# Altium PCB SI940D.PcbDoc (part 3 of 3)
Units mm, origin at the board's own origin, x right, y up, seen from the top; angles counter-clockwise.
Board outline 281.94 x 89 mm, 4 copper layers (Top, Mid-Layer1, Mid-Layer2, Bottom), stack 1.65 mm thick; 290 components, 161 nets, 820 pads, 571 vias.
Unrouted connection lines stored in the file: 3.
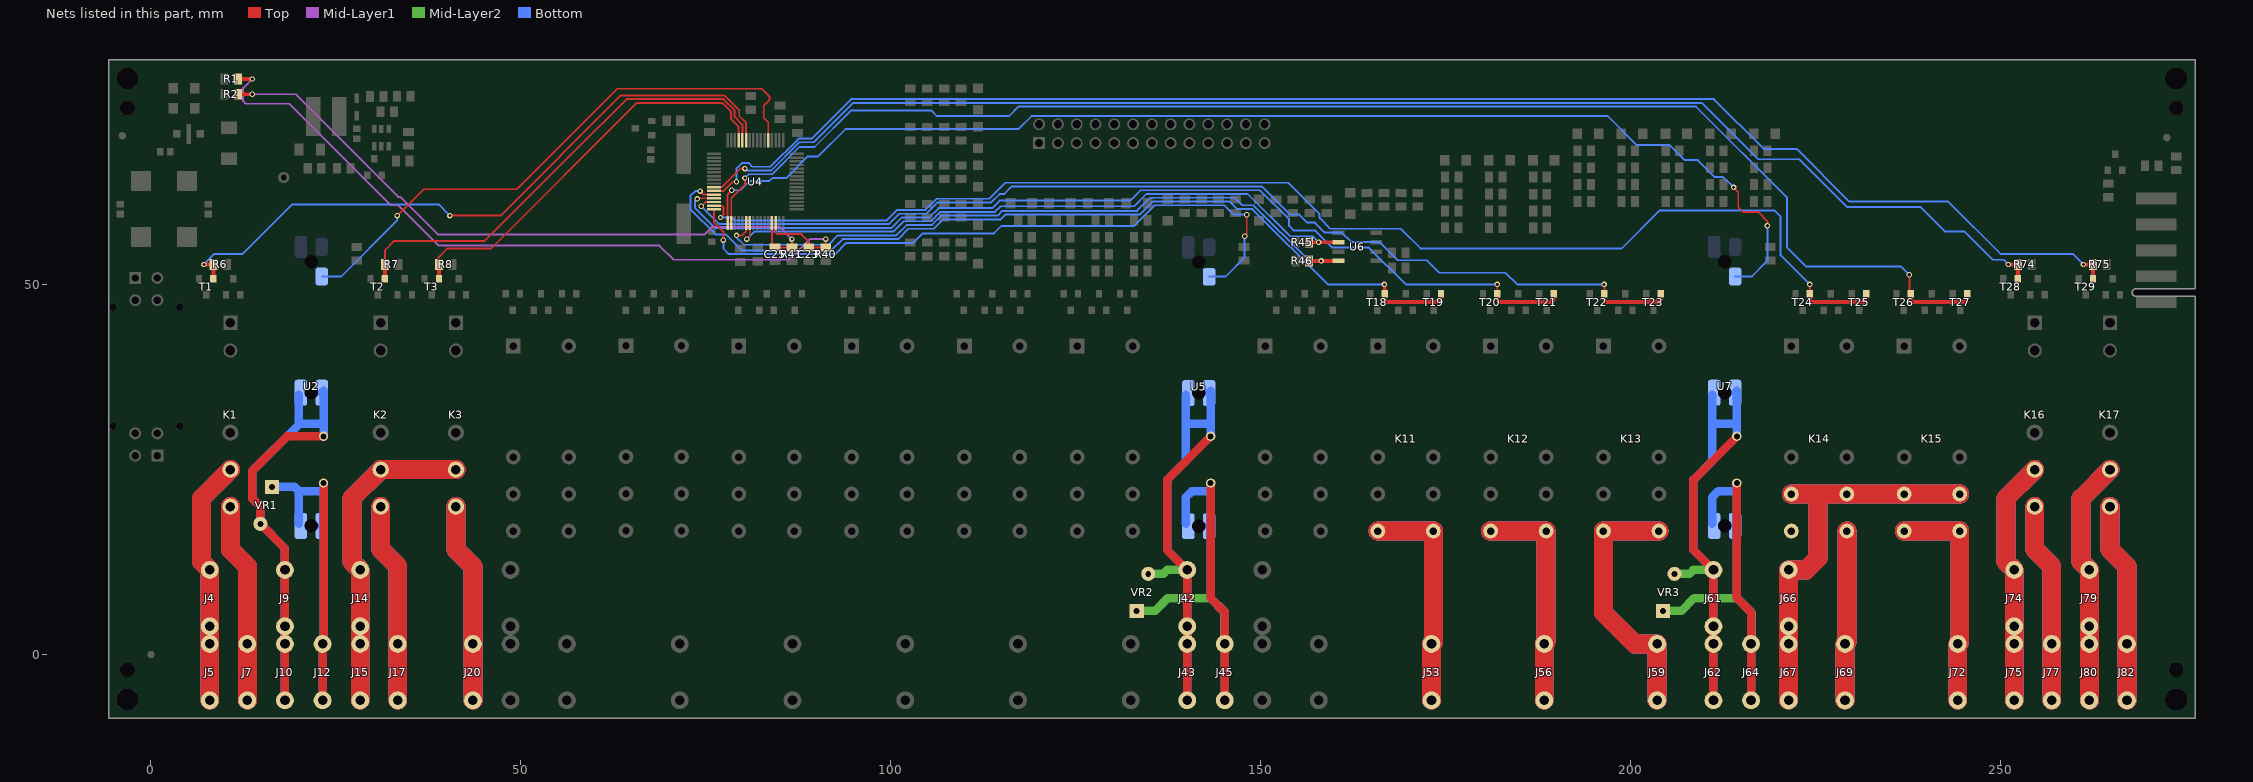
[diagram p5: the nets of this part, all layers, seen from the top]

## Via types
v1: diameter 0.737, hole 0.432, Top to Bottom, 561 vias
v2: diameter 1.27, hole 0.8, Top to Bottom, 6 vias
v3: diameter 1.524, hole 0.8, Top to Bottom, 4 vias

## Nets (pads, with @x,y where several pads share a name; then routed paths per layer and width w, separated by ;. In a path a pad name is that pad's centre, name@x,y a point inside that pad or via, vN(x,y) a via of type N, cw(c..) or ccw(c..) an arc to the next point about the centre after c; other vN are vias at no path point) (continued)
RB7_UC: T18.1 T19.1 U4.44 | length 119.7
  Top w0.254: v1(74.204,62.628) 74.684,62.148 U4.44@76.065,62.148
  Top w0.508: v1(166.687,50.006) 166.71,49.984 T18.1@166.71,48.725 166.71,47.92 167.005,47.625 174.035,47.625 174.33,47.92 T19.1@174.33,48.725
  Bottom w0.254: v1(74.204,62.628) 73.55,62.628 72.898,61.976 72.898,60.198 76.327,56.769 77.662,56.769 79.821,54.61 91.948,54.61 93.472,56.134 100.965,56.134 102.362,57.531 105.791,57.531 107.061,58.801 114.808,58.801 115.443,59.436 133.604,59.436 135.382,61.214 145.796,61.214 146.812,60.198 148.844,60.198 159.036,50.006 v1(166.687,50.006)
RB7NO: J53.1 J53.2 K11.14 K11.24 | length 121.9
  Top w2.54: K11.14@165.795,16.68 K11.24@173.295,16.68 173.295,1.68 J53.2@173.045,1.43 J53.1@173.045,-6.19
  Mid-Layer1 w2.54: K11.14@165.795,16.68 K11.24@173.295,16.68 173.295,1.68 J53.2@173.045,1.43 J53.1@173.045,-6.19
  Mid-Layer2 w2.54: K11.14@165.795,16.68 K11.24@173.295,16.68 173.295,1.68 J53.2@173.045,1.43 J53.1@173.045,-6.19
  Bottom w2.54: K11.14@165.795,16.68 K11.24@173.295,16.68 173.295,1.68 J53.2@173.045,1.43 J53.1@173.045,-6.19
RB8_UC: T20.1 T21.1 U4.45 | length 131.8
  Top w0.254: v1@73.886,61.517 74.017,61.648 U4.45@76.065,61.648 ; v1(181.927,50.006) 181.927,48.747 T20.1@181.95,48.725
  Top w0.508: T20.1@181.95,48.725 181.95,47.92 182.245,47.625 189.275,47.625 189.57,47.92 T21.1@189.57,48.725
  Bottom w0.254: v1(73.829,61.568) 73.533,61.272 73.533,60.325 76.2,57.658 100.076,57.658 101.473,59.055 105.156,59.055 106.426,60.325 113.665,60.325 114.681,61.341 132.334,61.341 133.731,62.738 149.86,62.738 153.797,58.801 153.797,57.912 154.432,57.277 157.353,57.277 159.639,54.991 164.592,54.991 169.577,50.006 v1(181.927,50.006)
RB8NO: J56.1 J56.2 K12.14 K12.24 | length 121.9
  Top w2.54: K12.14@181.035,16.68 K12.24@188.535,16.68 188.535,1.68 J56.2@188.285,1.43 J56.1@188.285,-6.19
  Mid-Layer1 w2.54: K12.14@181.035,16.68 K12.24@188.535,16.68 188.535,1.68 J56.2@188.285,1.43 J56.1@188.285,-6.19
  Mid-Layer2 w2.54: K12.14@181.035,16.68 K12.24@188.535,16.68 188.535,1.68 J56.2@188.285,1.43 J56.1@188.285,-6.19
  Bottom w2.54: K12.14@181.035,16.68 K12.24@188.535,16.68 188.535,1.68 J56.2@188.285,1.43 J56.1@188.285,-6.19
RB9_UC: T22.1 T23.1 U4.46 | length 143.3
  Top w0.254: v1(74.362,60.564) 74.946,61.148 U4.46@76.065,61.148 ; v1(196.374,50.006) 196.396,49.984 T22.1@196.396,48.725
  Top w0.508: T22.1@196.396,48.725 196.396,47.92 196.691,47.625 203.721,47.625 204.016,47.92 T23.1@204.016,48.725
  Bottom w0.254: v1(74.362,60.564) 76.761,58.166 99.695,58.166 101.092,59.563 104.775,59.563 106.299,61.087 113.538,61.087 114.681,62.23 115.316,62.23 116.332,63.246 150.114,63.246 153.924,59.436 155.194,59.436 156.273,58.356 157.289,58.356 158.623,57.023 160.909,57.023 162.179,55.753 165.989,55.753 168.465,53.276 172.402,53.276 174.085,51.594 183.039,51.594 184.626,50.006 v1(196.374,50.006)
RB9NO: J59.1 J59.2 K13.14 K13.24 | length 140.5
  Top w2.54: J59.1@203.525,-6.19 J59.2@203.525,1.43 200.516,1.43 196.275,5.671 K13.14@196.275,16.68 K13.24@203.775,16.68
  Mid-Layer1 w2.54: J59.1@203.525,-6.19 J59.2@203.525,1.43 200.516,1.43 196.275,5.671 K13.14@196.275,16.68 K13.24@203.775,16.68
  Mid-Layer2 w2.54: J59.1@203.525,-6.19 J59.2@203.525,1.43 200.516,1.43 196.275,5.671 K13.14@196.275,16.68 K13.24@203.775,16.68
  Bottom w2.54: J59.1@203.525,-6.19 J59.2@203.525,1.43 200.516,1.43 196.275,5.671 K13.14@196.275,16.68 K13.24@203.775,16.68
RB10_UC: T24.1 T25.1 U4.47 | length 176.5
  Top w0.254: U4.47@76.065,60.648 77.147,60.648 77.343,60.452 77.343,59.436 v1(76.962,59.055) ; v1(224.155,50.006) 224.177,49.984 T24.1@224.177,48.725
  Top w0.508: T24.1@224.177,48.725 224.177,47.92 224.472,47.625 231.502,47.625 231.797,47.92 T25.1@231.797,48.725
  Bottom w0.254: v1(76.962,59.055) 78.486,59.055 78.867,58.674 99.441,58.674 100.838,60.071 104.648,60.071 106.172,61.595 113.284,61.595 115.443,63.754 153.67,63.754 157.924,59.499 157.924,58.991 159.385,57.531 168.91,57.531 171.577,54.864 198.755,54.864 203.898,60.008 219.392,60.008 220.218,59.182 220.218,53.943 v1(224.155,50.006)
RB10CO: J66.1 J66.2 J67.1 J67.2 K14.11 K14.21 K15.11 K15.21 | length 214.2
  Top w2.54: J67.1@221.305,-6.19 J67.2@221.305,1.43 J66.1@221.305,3.81 J66.2@221.305,11.43 223.679,11.43 225.266,13.018 225.266,21.59 ; K14.11@221.675,21.68 K14.21@229.175,21.68 K15.11@236.915,21.68 K15.21@244.415,21.68
  Mid-Layer1 w2.54: J67.1@221.305,-6.19 J67.2@221.305,1.43 J66.1@221.305,3.81 J66.2@221.305,11.43 223.679,11.43 225.266,13.018 225.266,21.59 ; K14.11@221.675,21.68 K14.21@229.175,21.68 K15.11@236.915,21.68 K15.21@244.415,21.68
  Mid-Layer2 w2.54: J67.1@221.305,-6.19 J67.2@221.305,1.43 J66.1@221.305,3.81 J66.2@221.305,11.43 223.679,11.43 225.266,13.018 225.266,21.59 ; K14.11@221.675,21.68 K14.21@229.175,21.68 K15.11@236.915,21.68 K15.21@244.415,21.68
  Bottom w2.54: J67.1@221.305,-6.19 J67.2@221.305,1.43 J66.1@221.305,3.81 J66.2@221.305,11.43 223.679,11.43 225.266,13.018 225.266,21.59 ; K14.11@221.675,21.68 K14.21@229.175,21.68 K15.11@236.915,21.68 K15.21@244.415,21.68
RB10NO: J69.1 J69.2 K14.14 K14.24 | length 91.9
  Top w2.54: J69.1@228.925,-6.19 J69.2@228.925,1.43 229.175,1.68 K14.24@229.175,16.68
  Mid-Layer1 w2.54: J69.1@228.925,-6.19 J69.2@228.925,1.43 229.175,1.68 K14.24@229.175,16.68
  Mid-Layer2 w2.54: J69.1@228.925,-6.19 J69.2@228.925,1.43 229.175,1.68 K14.24@229.175,16.68
  Bottom w2.54: J69.1@228.925,-6.19 J69.2@228.925,1.43 229.175,1.68 K14.24@229.175,16.68
RB11_UC: T26.1 T27.1 U4.50 | length 194.3
  Top w0.254: U4.50@78.415,58.298 78.415,61.651 80.264,63.5 v1(80.264,64.389) ; v1(237.617,51.308) 237.617,48.938 T26.1@237.83,48.725
  Top w0.508: T26.1@237.83,48.725 237.83,47.92 238.125,47.625 245.155,47.625 245.45,47.92 T27.1@245.45,48.725
  Bottom w0.254: v1(80.264,64.389) 80.772,64.897 83.947,64.897 87.63,68.58 89.662,68.58 94.615,73.533 105.41,73.533 106.172,72.771 115.951,72.771 117.221,74.041 208.788,74.041 221.107,61.722 221.107,54.991 223.647,52.451 236.474,52.451 v1(237.617,51.308)
RB11NO: J72.1 J72.2 K15.14 K15.24 | length 121.9
  Top w2.54: K15.14@236.915,16.68 K15.24@244.415,16.68 244.415,1.68 J72.2@244.165,1.43 J72.1@244.165,-6.19
  Mid-Layer1 w2.54: K15.14@236.915,16.68 K15.24@244.415,16.68 244.415,1.68 J72.2@244.165,1.43 J72.1@244.165,-6.19
  Mid-Layer2 w2.54: K15.14@236.915,16.68 K15.24@244.415,16.68 244.415,1.68 J72.2@244.165,1.43 J72.1@244.165,-6.19
  Bottom w2.54: K15.14@236.915,16.68 K15.24@244.415,16.68 244.415,1.68 J72.2@244.165,1.43 J72.1@244.165,-6.19
RBSENS1_UC: R45.1 U4.55 U6.2 | length 88.8
  Top w0.254: v1(80.518,56.134) 80.915,56.531 U4.55@80.915,58.298
  Top w0.508: R45.1@156.489,55.721 v1(157.778,55.721) U6.2@160.496,55.721
  Bottom w0.254: v1(80.518,56.134) 81.534,57.15 100.33,57.15 101.727,58.547 105.41,58.547 106.68,59.817 114.046,59.817 114.808,60.579 132.842,60.579 134.493,62.23 148.209,62.23 153.924,56.515 156.985,56.515 v1(157.778,55.721)
RBSENS2_UC: R46.1 U4.54 U6.4 | length 92.6
  Top w0.254: v1(79.121,56.642) 79.883,56.642 80.415,57.174 U4.54@80.415,58.298
  Top w0.508: R46.1@156.489,53.181 156.505,53.165 U6.4@160.56,53.165
  Bottom w0.254: v1(79.121,56.642) 79.121,56.388 80.137,55.372 91.567,55.372 92.837,56.642 100.711,56.642 102.108,58.039 105.537,58.039 106.807,59.309 114.427,59.309 115.062,59.944 133.223,59.944 135.001,61.722 146.431,61.722 147.447,60.706 148.971,60.706 156.496,53.181 v1(158.115,53.181)
RM0_UC: R6.2 T1.1 U4.27 | length 91.6
  Top w0.254: v1(40.386,59.309) 47.244,59.309 63.5,75.565 77.47,75.565 79.502,73.533 79.502,72.771 80.415,71.858 U4.27@80.415,69.498
  Top w0.508: v1(7.144,52.705) R6.2@8.452,52.705 T1.1@8.452,50.804
  Bottom w0.254: v1(7.144,52.705) 8.572,54.134 12.383,54.134 19.082,60.833 38.862,60.833 v1(40.386,59.309)
RM0CO: J4.1 J4.2 J5.1 J5.2 K1.11 | length 133
  Top w2.54: J5.1@7.945,-6.19 J5.2@7.945,1.43 J4.1@7.945,3.81 J4.2@7.945,11.43 6.826,12.549 6.826,21.081 K1.11@10.725,24.98
  Mid-Layer1 w2.54: J5.1@7.945,-6.19 J5.2@7.945,1.43 J4.1@7.945,3.81 J4.2@7.945,11.43 6.826,12.549 6.826,21.081 K1.11@10.725,24.98
  Mid-Layer2 w2.54: J5.1@7.945,-6.19 J5.2@7.945,1.43 J4.1@7.945,3.81 J4.2@7.945,11.43 6.826,12.549 6.826,21.081 K1.11@10.725,24.98
  Bottom w2.54: J5.1@7.945,-6.19 J5.2@7.945,1.43 J4.1@7.945,3.81 J4.2@7.945,11.43 6.826,12.549 6.826,21.081 K1.11@10.725,24.98
RM0NO: J7.1 J7.2 K1.14 | length 108.5
  Top w2.54: K1.14@10.725,19.98 10.725,14.199 13.025,11.899 J7.2@13.025,1.43 J7.1@13.025,-6.19
  Mid-Layer1 w2.54: K1.14@10.725,19.98 10.725,14.199 13.025,11.899 J7.2@13.025,1.43 J7.1@13.025,-6.19
  Mid-Layer2 w2.54: K1.14@10.725,19.98 10.725,14.199 13.025,11.899 J7.2@13.025,1.43 J7.1@13.025,-6.19
  Bottom w2.54: K1.14@10.725,19.98 10.725,14.199 13.025,11.899 J7.2@13.025,1.43 J7.1@13.025,-6.19
RM1_UC: R7.2 T2.1 U4.28 | length 64.6
  Top w0.254: R7.2@31.629,52.705 31.629,54.604 31.623,54.61 32.893,55.88 45.085,55.88 57.404,68.199 64.262,75.057 77.343,75.057 78.867,73.533 78.867,72.644 79.915,71.596 U4.28@79.915,69.498
  Top w0.508: T2.1@31.629,50.804 R7.2@31.629,52.705
RM1CO: J14.1 J14.2 J15.1 J15.2 K2.11 K3.11 | length 173.6
  Top w2.54: J15.1@28.265,-6.19 J15.2@28.265,1.43 J14.1@28.265,3.81 J14.2@28.265,11.43 27.146,12.549 27.146,21.081 K2.11@31.045,24.98 K3.11@41.205,24.98
  Mid-Layer1 w2.54: J15.1@28.265,-6.19 J15.2@28.265,1.43 J14.1@28.265,3.81 J14.2@28.265,11.43 27.146,12.549 27.146,21.081 K2.11@31.045,24.98 K3.11@41.205,24.98
  Mid-Layer2 w2.54: J15.1@28.265,-6.19 J15.2@28.265,1.43 J14.1@28.265,3.81 J14.2@28.265,11.43 27.146,12.549 27.146,21.081 K2.11@31.045,24.98 K3.11@41.205,24.98
  Bottom w2.54: J15.1@28.265,-6.19 J15.2@28.265,1.43 J14.1@28.265,3.81 J14.2@28.265,11.43 27.146,12.549 27.146,21.081 K2.11@31.045,24.98 K3.11@41.205,24.98
RM1NO: J17.1 J17.2 K2.14 | length 108.5
  Top w2.54: K2.14@31.045,19.98 31.045,14.199 33.345,11.899 J17.2@33.345,1.43 J17.1@33.345,-6.19
  Mid-Layer1 w2.54: K2.14@31.045,19.98 31.045,14.199 33.345,11.899 J17.2@33.345,1.43 J17.1@33.345,-6.19
  Mid-Layer2 w2.54: K2.14@31.045,19.98 31.045,14.199 33.345,11.899 J17.2@33.345,1.43 J17.1@33.345,-6.19
  Bottom w2.54: K2.14@31.045,19.98 31.045,14.199 33.345,11.899 J17.2@33.345,1.43 J17.1@33.345,-6.19
RM2_UC: R8.2 T3.1 U4.29 | length 55.9
  Top w0.254: R8.2@38.932,52.705 38.862,52.775 38.862,53.705 40.021,54.864 45.974,54.864 65.659,74.549 77.216,74.549 78.359,73.406 78.359,72.39 79.415,71.334 U4.29@79.415,69.498
  Top w0.508: T3.1@38.932,50.804 R8.2@38.932,52.705
RM2NO: J20.1 J20.2 K3.14 | length 108.5
  Top w2.54: K3.14@41.205,19.98 41.205,14.199 43.505,11.899 J20.2@43.505,1.43 J20.1@43.505,-6.19
  Mid-Layer1 w2.54: K3.14@41.205,19.98 41.205,14.199 43.505,11.899 J20.2@43.505,1.43 J20.1@43.505,-6.19
  Mid-Layer2 w2.54: K3.14@41.205,19.98 41.205,14.199 43.505,11.899 J20.2@43.505,1.43 J20.1@43.505,-6.19
  Bottom w2.54: K3.14@41.205,19.98 41.205,14.199 43.505,11.899 J20.2@43.505,1.43 J20.1@43.505,-6.19
RM3_UC: R74.2 T28.1 U4.42 | length 192.1
  Top w0.254: U4.42@76.065,63.148 77.118,63.148 79.629,65.659 v1(80.264,65.659)
  Top w0.508: v1(250.984,52.705) R74.2@252.292,52.705 T28.1@252.292,50.804
  Bottom w0.254: v1(80.264,65.659) 80.518,65.405 83.82,65.405 87.63,69.215 89.535,69.215 94.869,74.549 209.55,74.549 217.17,66.929 222.758,66.929 229.235,60.452 239.141,60.452 242.443,57.15 245.11,57.15 248.92,53.34 250.349,53.34 v1(250.984,52.705)
RM3CO: J74.1 J74.2 J75.1 J75.2 K16.11 | length 133
  Top w2.54: J75.1@251.785,-6.19 J75.2@251.785,1.43 J74.1@251.785,3.81 J74.2@251.785,11.43 250.666,12.549 250.666,21.081 K16.11@254.565,24.98
  Mid-Layer1 w2.54: J75.1@251.785,-6.19 J75.2@251.785,1.43 J74.1@251.785,3.81 J74.2@251.785,11.43 250.666,12.549 250.666,21.081 K16.11@254.565,24.98
  Mid-Layer2 w2.54: J75.1@251.785,-6.19 J75.2@251.785,1.43 J74.1@251.785,3.81 J74.2@251.785,11.43 250.666,12.549 250.666,21.081 K16.11@254.565,24.98
  Bottom w2.54: J75.1@251.785,-6.19 J75.2@251.785,1.43 J74.1@251.785,3.81 J74.2@251.785,11.43 250.666,12.549 250.666,21.081 K16.11@254.565,24.98
RM3NO: J77.1 J77.2 K16.14 | length 108.5
  Top w2.54: K16.14@254.565,19.98 254.565,14.199 256.865,11.899 J77.2@256.865,1.43 J77.1@256.865,-6.19
  Mid-Layer1 w2.54: K16.14@254.565,19.98 254.565,14.199 256.865,11.899 J77.2@256.865,1.43 J77.1@256.865,-6.19
  Mid-Layer2 w2.54: K16.14@254.565,19.98 254.565,14.199 256.865,11.899 J77.2@256.865,1.43 J77.1@256.865,-6.19
  Bottom w2.54: K16.14@254.565,19.98 254.565,14.199 256.865,11.899 J77.2@256.865,1.43 J77.1@256.865,-6.19
RM4_UC: R75.2 T29.1 U4.43 | length 204.1
  Top w0.254: U4.43@76.065,62.648 77.38,62.648 78.613,63.881 v1(79.121,63.881)
  Top w0.508: v1(261.144,52.705) R75.2@262.452,52.705 T29.1@262.452,50.804
  Bottom w0.254: v1(79.121,63.881) 79.121,65.659 79.883,66.421 80.772,66.421 81.28,65.913 83.693,65.913 87.503,69.723 89.281,69.723 94.615,75.057 211.201,75.057 217.932,68.326 222.377,68.326 229.489,61.214 242.856,61.214 249.936,54.134 259.715,54.134 v1(261.144,52.705)
RM4CO: J79.1 J79.2 J80.1 J80.2 K17.11 | length 133
  Top w2.54: J80.1@261.945,-6.19 J80.2@261.945,1.43 J79.1@261.945,3.81 J79.2@261.945,11.43 260.826,12.549 260.826,21.081 K17.11@264.725,24.98
  Mid-Layer1 w2.54: J80.1@261.945,-6.19 J80.2@261.945,1.43 J79.1@261.945,3.81 J79.2@261.945,11.43 260.826,12.549 260.826,21.081 K17.11@264.725,24.98
  Mid-Layer2 w2.54: J80.1@261.945,-6.19 J80.2@261.945,1.43 J79.1@261.945,3.81 J79.2@261.945,11.43 260.826,12.549 260.826,21.081 K17.11@264.725,24.98
  Bottom w2.54: J80.1@261.945,-6.19 J80.2@261.945,1.43 J79.1@261.945,3.81 J79.2@261.945,11.43 260.826,12.549 260.826,21.081 K17.11@264.725,24.98
RM4NO: J82.1 J82.2 K17.14 | length 108.5
  Top w2.54: K17.14@264.725,19.98 264.725,14.199 267.025,11.899 J82.2@267.025,1.43 J82.1@267.025,-6.19
  Mid-Layer1 w2.54: K17.14@264.725,19.98 264.725,14.199 267.025,11.899 J82.2@267.025,1.43 J82.1@267.025,-6.19
  Mid-Layer2 w2.54: K17.14@264.725,19.98 264.725,14.199 267.025,11.899 J82.2@267.025,1.43 J82.1@267.025,-6.19
  Bottom w2.54: K17.14@264.725,19.98 264.725,14.199 267.025,11.899 J82.2@267.025,1.43 J82.1@267.025,-6.19
RV0_UC: U2.2UC U4.21 | length 78.3
  Top w0.254: v1(33.274,59.309) 36.83,62.865 49.403,62.865 55.436,68.897 62.992,76.454 82.55,76.454 83.566,75.438 83.566,74.93 82.804,74.168 82.804,72.517 83.415,71.906 U4.21@83.415,69.498
  Bottom w0.254: U2.2UC@23.07,51.08 25.68,51.08 33.274,58.674 v1(33.274,59.309)
RV0IN: J9.1 J9.2 J10.1 J10.2 U2.1TR U2.2TR VR1.2 | length 100
  Top w1.143: J10.1@18.105,-6.19 J10.2@18.105,1.43 J9.1@18.105,3.81 J9.2@18.105,11.43 18.105,14.334 VR1.2@14.777,17.661 14.777,19.989 13.652,21.114 13.652,24.765 18.363,29.476 v2(23.316,29.476)
  Bottom w1.143: J10.1@18.105,-6.19 J10.2@18.105,1.43 J9.1@18.105,3.81 J9.2@18.105,11.43 18.105,14.334 VR1.2@14.777,17.661 14.777,19.989 13.652,21.114 13.652,24.765 19.982,31.095 19.982,31.17 ; U2.2TR@19.982,35.102 19.982,31.17 ; U2.1TR@23.07,35.38 23.316,35.626 23.316,31.17 ; v2(23.316,29.476) 23.316,31.17 ; 19.982,31.17 23.316,31.17
RV0OUT: J12.1 J12.2 U2.3TR U2.4TR VR1.1 | length 70.8
  Top w1.143: J12.1@23.185,-6.19 J12.2@23.185,1.43 23.316,1.561 v2(23.316,23.177)
  Bottom w1.143: VR1.1@16.338,22.661 19.387,22.661 19.982,22.066 ; U2.4TR@19.982,17.658 19.982,22.066 ; U2.3TR@23.07,17.38 U2.3TR@23.316,17.134 ; J12.1@23.185,-6.19 J12.2@23.185,1.43 23.316,1.561 U2.3TR@23.316,17.134 ; v2(23.316,23.177) 23.316,22.066 ; 19.982,22.066 23.316,22.066 ; U2.3TR@23.316,17.134 23.316,22.066
RV1_UC: U4.48 U5.2UC | length 91.9
  Top w0.254: U4.48@76.065,60.148 76.065,58.428 77.343,57.15 v1(77.343,56.007) ; v1(147.796,56.515) 148.082,56.801 v1(148.082,59.436)
  Bottom w0.254: v1(77.343,56.007) 77.343,54.864 78.105,54.102 92.456,54.102 93.98,55.626 102.997,55.626 104.267,56.896 113.919,56.896 114.935,57.912 132.842,57.912 135.636,60.706 145.034,60.706 146.304,59.436 v1(148.082,59.436) ; U5.2UC@142.947,51.08 145.219,51.08 147.796,53.657 v1(147.796,56.515)
RV1IN: J42.1 J42.2 J43.1 J43.2 U5.1TR U5.2TR VR2.2 | length 105.6
  Top w1.143: J43.1@140.025,-6.19 J43.2@140.025,1.43 J42.1@140.025,3.81 ; v2(143.192,29.476) 137.319,23.602 137.319,14.136 J42.2@140.025,11.43 ; J42.2@140.021,11.426 140.017,11.422 140.017,3.818 J42.1@140.025,3.81 ; J42.2@140.021,11.426 J42.2@140.025,11.43 ; J42.2@140.021,11.426 J42.2@140.025,11.422 ; J42.2@140.021,11.426 140.017,11.43 J42.2@140.025,11.43 ; J42.1@140.025,3.81 J42.2@140.025,11.422 ; J42.2@140.025,11.422 J42.2@140.025,11.43
  Mid-Layer2 w1.143: VR2.2@134.765,10.898 136.787,10.898 137.319,11.43 J42.2@140.025,11.43
  Bottom w1.143: U5.2TR@139.859,35.102 139.859,31.17 ; J43.1@140.025,-6.19 J43.2@140.025,1.43 J42.1@140.025,3.81 J42.2@140.025,11.43 137.319,14.136 137.319,23.602 139.859,26.142 139.859,31.17 ; U5.1TR@142.947,35.38 143.192,35.626 143.192,31.17 ; v2(143.192,29.476) 143.192,31.17 ; 139.859,31.17 143.192,31.17
RV1OUT: J45.1 J45.2 U5.3TR U5.4TR VR2.1 | length 85.5
  Top w1.143: v2(143.192,23.177) 143.192,7.62 145.105,5.707 J45.2@145.105,1.55 ; J45.1@145.105,-6.19 J45.2@145.105,1.43
  Mid-Layer2 w1.143: VR2.1@133.205,5.898 135.686,5.898 137.408,7.62 143.192,7.62 145.105,5.707 J45.2@145.105,1.43
  Bottom w1.143: U5.4TR@139.859,17.658 139.859,21.273 140.652,22.066 143.192,22.066 ; U5.3TR@142.947,17.38 U5.3TR@143.192,17.134 ; v2(143.192,23.177) 143.192,22.066 ; J45.1@145.105,-6.19 J45.2@145.105,1.43 145.105,5.707 143.192,7.62 U5.3TR@143.192,17.134 ; U5.3TR@143.192,17.134 143.192,22.066
RV2_UC: U4.49 U7.2UC | length 166.5
  Top w0.254: U4.49@77.915,58.298 77.915,62.167 v1(78.486,62.738) ; v1(213.868,63.119) 214.503,62.484 214.503,60.452 215.138,59.817 217.17,59.817 218.44,58.547 v1(218.44,57.944)
  Bottom w0.254: v1(78.486,62.738) 79.629,62.738 80.899,64.008 83.566,64.008 83.947,64.389 85.852,64.389 88.773,67.31 90.17,67.31 93.853,70.993 117.221,70.993 118.999,72.771 196.85,72.771 200.787,68.834 205.232,68.834 207.264,66.802 209.042,66.802 211.328,64.516 212.471,64.516 v1(213.868,63.119) ; U7.2UC@214.067,51.08 216.339,51.08 218.44,53.181 v1(218.44,57.944)
RV2IN: J61.1 J61.2 J62.1 J62.2 U7.1TR U7.2TR VR3.2 | length 105.6
  Top w1.143: J62.1@211.145,-6.19 J62.2@211.145,1.43 J61.1@211.145,3.81 ; v2(214.312,29.476) 208.439,23.602 208.439,14.136 J61.2@211.145,11.43 ; J61.2@211.141,11.426 211.137,11.422 211.137,3.818 J61.1@211.145,3.81 ; J61.2@211.141,11.426 J61.2@211.145,11.43 ; J61.2@211.141,11.426 J61.2@211.145,11.422 ; J61.2@211.141,11.426 211.137,11.43 J61.2@211.145,11.43 ; J61.1@211.145,3.81 J61.2@211.145,11.422 ; J61.2@211.145,11.422 J61.2@211.145,11.43
  Mid-Layer2 w1.143: VR3.2@205.885,10.898 207.907,10.898 208.439,11.43 J61.2@211.145,11.43
  Bottom w1.143: U7.2TR@210.979,35.102 210.979,31.17 ; J62.1@211.145,-6.19 J62.2@211.145,1.43 J61.1@211.145,3.81 J61.2@211.145,11.43 208.439,14.136 208.439,23.602 210.979,26.142 210.979,31.17 ; U7.1TR@214.067,35.38 214.312,35.626 214.312,31.17 ; v2(214.312,29.476) 214.312,31.17 ; 210.979,31.17 214.312,31.17
RV2OUT: J64.1 J64.2 U7.3TR U7.4TR VR3.1 | length 85.5
  Top w1.143: v2(214.312,23.177) 214.312,7.62 216.225,5.707 J64.2@216.225,1.55 ; J64.1@216.225,-6.19 J64.2@216.225,1.43
  Mid-Layer2 w1.143: VR3.1@204.325,5.898 206.806,5.898 208.528,7.62 214.312,7.62 216.225,5.707 J64.2@216.225,1.43
  Bottom w1.143: U7.4TR@210.979,17.658 210.979,21.273 211.772,22.066 214.312,22.066 ; U7.3TR@214.067,17.38 U7.3TR@214.312,17.134 ; v2(214.312,23.177) 214.312,22.066 ; J64.1@216.225,-6.19 J64.2@216.225,1.43 216.225,5.707 214.312,7.62 U7.3TR@214.312,17.134 ; U7.3TR@214.312,17.134 214.312,22.066
SCL: C25.2 R2.1 R41.1 U4.61 | length 90.7
  Top w0.254: U4.61@83.915,58.298 83.915,55.43 C25.2@84.328,55.016 R41.1@86.614,55.016 v1(86.614,56.134)
  Top w0.508: R2.1@11.741,75.708 v1(13.684,75.708)
  Mid-Layer1 w0.254: v1(13.684,75.708) 19.542,75.708 33.401,61.849 33.655,61.849 38.735,56.769 74.803,56.769 75.819,57.785 84.963,57.785 v1(86.614,56.134)
SDA: C23.2 R1.1 R40.1 U4.62 | length 104.7
  Top w0.254: U4.62@84.415,58.298 84.415,57.023 84.629,56.809 87.893,56.809 88.9,55.802 C23.2@88.9,55.016 R40.1@91.186,55.016 v1(91.186,56.134)
  Top w0.508: R1.1@11.741,77.772 v1(13.684,77.772)
  Mid-Layer1 w0.254: v1(13.684,77.772) 12.446,76.533 12.446,74.803 12.827,74.422 18.669,74.422 32.385,60.706 33.401,60.706 38.862,55.245 68.707,55.245 70.612,53.34 86.233,53.34 89.027,56.134 v1(91.186,56.134)
pads on no net: D4.2 J1.FIX1 J1.FIX2 J2.FIX1 J2.FIX2 K1.12 K2.12 K3.12 K16.12 K17.12 MIR1.1 MIR2.1 MIR3.1 U2.1 U2.3 U2.4 U4.16 U4.17 U4.18 U4.22 U5.1 U5.3 U5.4 U6.1 U6.8 U7.1 U7.3 U7.4
copper on no net: | length 185.7
  Top w0.203: 85.415,69.498 85.459,69.454
  Top w0.254: 271.939,9.887 275.272,9.887 275.272,7.385 ; 275.272,9.366 275.272,12.383 275.266,12.389 271.939,12.389 271.939,4.883 ; 271.939,4.883 275.272,4.883 ; 271.939,4.883 275.272,4.883 ; 271.939,4.883 271.939,2.381 275.272,2.381 275.272,4.883 ; 275.272,4.883 275.272,7.385 ; 275.272,7.385 271.939,7.385 275.272,7.385
  Top w0.508: -1.27,-1.27 1.27,-1.27 1.27,1.27 -1.27,1.27 -1.27,-1.27
  Mid-Layer1 w0.254: 271.939,9.887 275.272,9.887 275.272,7.385 ; 275.272,9.366 275.272,12.383 275.266,12.389 271.939,12.389 271.939,4.883 ; 271.939,4.883 275.272,4.883 ; 271.939,4.883 275.272,4.883 ; 271.939,4.883 271.939,2.381 275.272,2.381 275.272,4.883 ; 275.272,4.883 275.272,7.385 ; 275.272,7.385 271.939,7.385 275.272,7.385
  Mid-Layer2 w0.254: 271.939,9.887 275.272,9.887 275.272,7.385 ; 275.272,9.366 275.272,12.383 275.266,12.389 271.939,12.389 271.939,4.883 ; 271.939,4.883 275.272,4.883 ; 271.939,4.883 275.272,4.883 ; 271.939,4.883 271.939,2.381 275.272,2.381 275.272,4.883 ; 275.272,4.883 275.272,7.385 ; 275.272,7.385 271.939,7.385 275.272,7.385
  Bottom w0.254: 271.939,9.887 275.272,9.887 275.272,7.385 ; 275.272,9.366 275.272,12.383 275.266,12.389 271.939,12.389 271.939,4.883 ; 271.939,4.883 271.939,2.381 275.272,2.381 275.272,4.883 ; 271.939,4.883 275.272,4.883 ; 271.939,4.883 275.272,4.883 ; 275.272,4.883 275.272,7.385 ; 275.272,7.385 271.939,7.385 275.272,7.385

## Polygon pours and split planes (outlines as drawn)
GND on Top "Top_GND" (solid, remove dead copper, pour order 14): -6.35,82.689 288.918,82.689 288.925,37.941 6.191,37.782 5.842,37.782 5.842,62.611 -6.35,62.611
+12V on Mid-Layer2 "+12V_L03_P027" (solid, remove dead copper, pour order 27): 34.417,79.121 13.081,79.121 5.334,71.374 5.334,67.437 15.875,67.437 16.002,67.31 16.002,71.247 16.002,71.501 18.923,74.422 19.05,74.549 34.417,74.549
+12V on Mid-Layer2 "Mid2_+12V" (solid, remove dead copper, pour order 11): 1.587,37.846 1.587,67.627 5.461,71.501 267.272,71.501 271.621,67.151 271.621,41.275 268.192,37.846
+5V on Mid-Layer2 "Mid2_+5V" (solid, remove dead copper, pour order 10): 28.099,62.865 17.145,62.865 16.383,63.627 16.383,74.676 258.858,74.676 265.589,67.945 265.589,60.166 265.43,60.008 261.303,60.008 256.54,64.77 137.287,64.77 132.683,60.166 131.762,60.166 129.857,60.166 100.394,60.166 90.9,50.673 79.252,50.673 65.472,64.453 29.686,64.453
GND on Mid-Layer1 "Top_GND" (solid, remove dead copper, pour order 19): -6.35,82.689 288.918,82.689 288.925,37.941 6.191,37.782 5.842,37.782 5.842,52.578 9.398,56.134 9.398,62.738 -6.35,62.738
GND on Bottom "Top_GND" (solid, remove dead copper, pour order 21): -6.35,82.689 288.918,82.689 288.925,37.941 6.191,37.782 5.842,37.782 5.842,52.578 9.398,56.134 9.398,62.738 -6.35,62.738

## Keep-outs
Board:
  the board outline again, w0.254

## Other copper
Top:
  rectangle net GND: -2.667,62.611 0,66.167
  pour cut-out: -6.477,65.659 -1.484,65.659 -1.484,62.611 -6.477,62.611
  region net +VBUS: 6.985,59.944 8.382,59.944 8.382,56.769 7.239,55.626 4.064,55.626 4.064,57.15 6.731,57.15 6.985,57.404
  region net GND: -3.429,60.452 -4.826,60.452 -4.826,63.627 -3.683,64.77 -0.508,64.77 -0.508,63.246 -3.175,63.246 -3.429,62.992
  region net +VIN: 6.985,60.452 8.382,60.452 8.382,63.627 7.239,64.77 4.064,64.77 4.064,63.246 6.731,63.246 6.985,62.992
  region net GNDBUS: -3.429,59.944 -4.826,59.944 -4.826,56.769 -3.683,55.626 -0.508,55.626 -0.508,57.15 -3.175,57.15 -3.429,57.404
  pour cut-out: 5.08,51.816 8.89,55.626 9.398,56.134 9.398,63.754 7.874,65.278 5.08,65.278
  pour cut-out: 5.429,37.941 278.289,37.941 278.289,-9.366 -9.366,-9.366 -9.366,24.765 0.318,24.765 3.016,27.464 3.016,32.385 4.604,33.972 4.604,37.116
  pour cut-out: -0.635,80.38 -5.715,80.38 -5.715,71.755 -0.635,71.755
  pour cut-out: 276.225,80.38 271.145,80.38 271.145,71.755 276.225,71.755
  text "1" at 274.637,3.296 h2.03 r90
Mid-Layer1:
  pour cut-out: 5.683,37.941 278.289,37.941 278.289,-9.366 -9.366,-9.366 -9.366,24.765 0.318,24.765 3.016,27.464 3.016,32.385 4.604,33.972 4.604,36.862
  pour cut-out: -0.635,80.38 -5.715,80.38 -5.715,71.755 -0.635,71.755
  pour cut-out: 276.225,80.38 271.145,80.38 271.145,71.755 276.225,71.755
  text "2" at 274.637,5.397 h2.03 r90
Mid-Layer2:
  pour cut-out: 5.969,37.846 5.969,52.705 9.398,56.134 9.398,62.865 1.715,62.865 1.587,62.738 1.587,37.846
  pour cut-out: 6.191,37.941 278.289,37.941 278.289,-9.366 -9.366,-9.366 -9.366,24.765 0.318,24.765 3.016,27.464 3.016,32.385 4.604,33.972 4.604,36.354
  pour cut-out: -0.635,80.38 -5.715,80.38 -5.715,71.755 -0.635,71.755
  pour cut-out: 276.225,80.38 271.145,80.38 271.145,71.755 276.225,71.755
  text "3" at 274.637,9.366 h2.03 r90
Bottom:
  pour cut-out: -0.635,80.38 -5.715,80.38 -5.715,71.755 -0.635,71.755
  pour cut-out: 276.225,80.38 271.145,80.38 271.145,71.755 276.225,71.755
  pour cut-out: 5.683,37.941 278.289,37.941 278.289,-9.366 -9.366,-9.366 -9.366,24.765 0.318,24.765 3.016,27.464 3.016,32.385 4.604,33.972 4.604,36.862
  text "4" at 274.637,11.906 h2.03 r90

## Silkscreen, mask and mechanical layers (free items; w line width, h text height)
Top Silk:
  rectangle: 37.465,-7.747 40.005,2.515
  lines w0.203: 211.925,13.38 213.525,13.38 ; 18.885,13.38 20.485,13.38 18.885,13.38
Bot Mask:
  drawing of 202 lines, arcs and shapes, not listed
3D Bodies TOP (Mec1):
  lines w0.254: -1.27,1.27 1.27,1.27
Cartouche TOP (Mec3):
  lines w0.127: -64.483,-123.673 -64.483,158.267 ; 174.277,-118.593 209.837,-118.593 324.137,-118.593
  lines w0.254: -64.483,-123.673 329.217,-123.673 329.217,158.267 -64.483,158.267 ; -64.483,-53.188 -59.403,-53.188 ; -64.483,17.297 -59.403,17.297 ; -64.483,87.782 -59.403,87.782 ; -15.207,-123.673 -15.207,-118.593 ; -15.207,153.187 -15.207,158.267 ; 33.942,-123.673 33.942,-118.593 ; 33.942,153.187 33.942,158.267 ; 83.091,-123.673 83.091,-118.593 ; 83.091,153.187 83.091,158.267 ; 132.367,-123.673 132.367,-118.593 ; 132.367,153.187 132.367,158.267 ; 181.516,-123.673 181.516,-118.593 ; 181.516,153.187 181.516,158.267 ; 181.897,-116.053 236.507,-116.053 ; 181.897,-112.878 236.507,-112.878 262.542,-112.878 324.137,-112.878 ; 181.897,-109.703 236.507,-109.703 ; 181.897,-106.528 236.507,-106.528 ; 181.897,-103.353 236.507,-103.353 ; 181.897,-100.178 236.507,-100.178 ; 181.897,-97.003 236.507,-97.003 ; 190.787,-118.593 190.787,-93.828 ; 202.217,-118.593 202.217,-93.828 ; 228.887,-118.593 228.887,-93.828 ; 230.665,-123.673 230.665,-118.593 ; 230.665,153.187 230.665,158.267 ; 236.507,-118.593 236.507,-93.828 ; 236.507,-104.623 312.329,-104.623 312.329,-93.891 ; 262.542,-118.593 262.542,-93.828 ; 262.542,-109.068 300.007,-109.068 ; 279.941,-123.673 279.941,-118.593 ; 279.941,153.187 279.941,158.267 ; 300.007,-112.878 300.007,-104.623 ; 312.329,-101.13 324.137,-101.13 ; 314.231,-104.623 320.2,-104.623 ; 324.137,-53.188 329.217,-53.188 ; 324.137,17.297 329.217,17.297 ; 324.137,87.782 329.217,87.782 ; 324.137,-118.593 181.897,-118.593 181.897,-93.828 324.137,-93.828 324.137,-118.593 ; 324.137,-118.593 -59.403,-118.593 -59.403,153.187 324.137,153.187 324.137,-118.593
  text "1" at -40.446,154.838 h1.78
  text "2" at 8.593,154.838 h1.78
  text "3" at 57.852,154.838 h1.78
  text "4" at 107.145,154.838 h1.78
  text "5" at 156.421,154.838 h1.78
  text "6" at 205.443,154.838 h1.78
  text "7" at 254.973,154.838 h1.78
  text "8" at 303.995,154.838 h1.78
  text "A" at -62.578,120.853 h1.78
  text "A" at 326.042,120.853 h1.78
  text "B" at -62.578,50.241 h1.78
  text "B" at 326.042,50.241 h1.78
  text "C" at -62.578,-20.371 h1.78
  text "C" at 326.042,-20.371 h1.78
  text "D" at -62.578,-90.475 h1.78
  text "D" at 326.042,-90.475 h1.78
  text "Sheet Size" at 312.707,-96.05 h2.54
  text "Circuit Imprimé pour carte" at 264.129,-98.273 h3.3
  text ".refSC" at 298.737,-98.273 h3.3
  text ".siSheetSize" at 316.644,-99.67 h3.56
  text "Printed Circuit Board for" at 267.622,-102.083 h3.05
  text ".refSC" at 297.467,-102.083 h3.05
  text "Print:" at 314.294,-103.988 h3.05
  text "View:" at 263.812,-107.798 h2.54
  text ".Printout_Name" at 269.844,-107.798 h2.54
  text "DATE:" at 301.277,-107.798 h3.05
  text ".Print_Date" at 309.913,-107.798 h3.05
  text ".refSI1" at 238.094,-110.973 h7.62
  text ".Print_Scale" at 301.277,-111.608 h3.05
  text "File:" at 264.129,-111.925 h2.54
  text ".Pcb_File_Name_No_Path" at 268.892,-111.925 h2.54
  text "a" at 185.707,-115.164 h3.05
  text "16/10/16" at 191.422,-115.418 h3.05
  text "Création" at 203.106,-115.418 h3.05
  text "CVO" at 229.552,-115.411 h3.05
  text "EDA: Altium Designer" at 237.777,-115.418 h2.54
  text "build" at 237.777,-117.704 h2.54
  text ".Application_BuildNumber" at 243.619,-117.704 h2.54
  text "Ind. Min" at 182.659,-118.085 h2.54
  text "Doc Date" at 192.057,-118.085 h2.54
  text "Objet" at 202.979,-118.085 h2.54
  text "Nom" at 230.157,-118.085 h2.54
  text "1" at -40.446,-122.022 h1.78
  text "2" at 8.593,-122.022 h1.78
  text "3" at 57.852,-122.022 h1.78
  text "4" at 107.145,-122.022 h1.78
  text "5" at 156.421,-122.022 h1.78
  text "6" at 205.443,-122.022 h1.78
  text "7" at 254.973,-122.022 h1.78
  text "8" at 303.995,-122.022 h1.78
Cartouche BOT (Mec4):
  drawing of 3701 lines, arcs and shapes, not listed
  text "8" at -39.261,154.838 h1.78
  text "7" at 9.761,154.838 h1.78
  text "6" at 59.291,154.838 h1.78
  text "5" at 108.313,154.838 h1.78
  text "4" at 157.589,154.838 h1.78
  text "3" at 206.882,154.838 h1.78
  text "2" at 256.141,154.838 h1.78
  text "1" at 305.18,154.838 h1.78
  text "A" at -61.308,120.853 h1.78
  text "A" at 327.312,120.853 h1.78
  text "B" at -61.308,50.241 h1.78
  text "B" at 327.312,50.241 h1.78
  text "C" at -61.308,-20.371 h1.78
  text "C" at 327.312,-20.371 h1.78
  text "D" at -61.308,-90.475 h1.78
  text "D" at 327.312,-90.475 h1.78
  text "Sheet Size" at -47.973,-96.368 h2.54
  text ".refSC" at -34.003,-98.273 h3.3
  text "Circuit Imprimé pour carte" at 0.604,-98.273 h3.3
  text ".siSheetSize" at -51.466,-99.86 h3.56
  text ".refSC" at -32.733,-102.083 h3.05
  text "Printed Circuit Board for" at -2.888,-102.083 h3.05
  text "Print:" at -49.561,-103.988 h3.05
  text ".Print_Date" at -45.179,-107.798 h3.05
  text "DATE:" at -36.543,-107.798 h3.05
  text ".Printout_Name" at -5.111,-107.798 h2.54
  text "View:" at 0.922,-107.798 h2.54
  text ".refSI" at 26.322,-111.29 h7.62
  text ".Print_Scale" at -36.543,-111.608 h3.05
  text ".Pcb_File_Name_No_Path" at -4.158,-111.925 h2.54
  text "File:" at 0.604,-111.925 h2.54
  text "Ce document est la propriété de Seccom. Il est interdit de" at 0.922,-115.1 h2.54
  text "EDA: Altium Designer" at 26.957,-115.418 h2.54
  text "le reproduire ou de le communiquer sans son autorisation." at 0.922,-117.323 h2.54
  text ".Application_BuildNumber" at 21.115,-117.704 h2.54
  text "build" at 26.957,-117.704 h2.54
  text "8" at -39.261,-122.022 h1.78
  text "7" at 9.761,-122.022 h1.78
  text "6" at 59.291,-122.022 h1.78
  text "5" at 108.313,-122.022 h1.78
  text "4" at 157.589,-122.022 h1.78
  text "3" at 206.882,-122.022 h1.78
  text "2" at 256.141,-122.022 h1.78
  text "1" at 305.18,-122.022 h1.78
Cotes (Mec6):
  circle w0.05: c273.685,77.84 r1.5
  circle w0.05: c-3.175,77.84 r1.5
  circle w0.05: c-3.175,-6.08 r1.5
  circle w0.05: c273.685,-6.08 r1.5
  circle w0.05: c273.685,-2.08 r1
  circle w0.05: c273.685,73.84 r1
  circle w0.05: c-3.175,73.84 r1
  circle w0.05: c-3.175,-2.08 r1
  lines w0.127: 266.065,83.058 269.24,83.058 273.05,79.248 ; 281.178,70.231 279.019,70.231 274.574,73.279 ; 273.05,79.248 272.796,80.01 272.161,79.502 273.05,79.248 ; 274.574,73.279 275.336,73.025 275.082,72.644 274.574,73.279
  lines w0.254: -1.27,2.99 -0.635,3.625 ; -0.635,-23.495 -0.635,3.625 ; 0,2.99 -0.635,3.625
  text "4x3.00" at 259.842,82.423 h2.29
  text "4x2.00" at 281.686,69.85 h2.29
  text "PCB Manufacturer Logo +DateCode here, on Bottom Solder Mask layer" at -22.86,-26.035 h1.52
NonImprimables (Mec7):
  lines w0.1: 9.525,29.88 9.525,38.93 ; 19.685,29.88 19.685,38.93 ; 29.845,29.88 29.845,38.93 ; 40.005,29.88 40.005,38.93 ; 52.705,29.88 52.705,38.93 ; 67.945,29.88 67.945,38.93 ; 83.185,29.88 83.185,38.93 ; 98.425,29.88 98.425,38.93 ; 113.665,29.88 113.665,38.93 ; 128.905,29.88 128.905,38.93 ; 141.605,29.88 141.605,38.93 ; 154.305,29.88 154.305,38.93 ; 169.545,29.88 169.545,38.93 ; 184.785,29.88 184.785,38.93 ; 200.025,29.88 200.025,38.93 ; 212.725,29.88 212.725,38.93 ; 225.425,29.88 225.425,38.93 ; 240.665,29.88 240.665,38.93 ; 253.365,29.88 253.365,38.93 ; 263.525,29.88 263.525,38.93
  lines w0.254: -5.715,36.38 280.225,36.38
  lines w0.5: 14.605,-9.62 14.605,82.38 ; 24.765,-9.62 24.765,82.38 ; 34.925,-9.62 34.925,82.38 ; 45.085,-9.62 45.085,82.38 ; 60.325,-9.62 60.325,82.38 ; 75.565,-9.62 75.565,82.38 ; 90.805,-9.62 90.805,82.38 ; 106.045,-9.62 106.045,82.38 ; 121.285,-9.62 121.285,82.38 ; 136.525,-9.62 136.525,82.38 ; 146.685,-9.62 146.685,82.38 ; 161.925,-9.62 161.925,82.38 ; 177.165,-9.62 177.165,82.38 ; 192.405,-9.62 192.405,82.38 ; 207.645,-9.62 207.645,82.38 ; 217.805,-9.62 217.805,82.38 ; 233.045,-9.62 233.045,82.38 ; 248.285,-9.62 248.285,82.38 ; 258.445,-9.62 258.445,82.38 ; 268.605,-9.62 268.605,82.38
  lines w1: 4.445,-7.62 4.445,80.38 ; 271.145,-22.32 271.145,89.44
OUTLINE:
  lines w0.025: 268.229,48.41 cw(c268.229,48.91) 268.229,49.41 276.225,49.41 276.225,80.38 -5.715,80.38 -5.715,-8.62 276.225,-8.62 276.225,48.41 268.229,48.41 ; 268.229,48.41 268.229,48.41
DNI:
  lines w0.127: -4.889,58.928 -3.492,61.468 ; -4.889,61.468 -3.492,58.928 ; 7.112,58.928 8.509,61.468 ; 7.112,61.468 8.509,58.928 ; 83.328,52.451 85.328,55.753 ; 83.328,55.753 85.217,52.402 ; 87.955,52.475 89.955,55.777 ; 87.955,55.777 89.844,52.426
Drill Drawing:
  circle w0.254: c-2.524,-58.043 r0.847
  lines w0.254: -3.371,-73.283 -2.524,-74.13 -1.677,-73.283 -2.524,-72.437 -3.371,-73.283 ; -3.371,-70.32 -3.371,-69.897 -2.947,-69.473 -3.371,-69.05 -3.371,-68.627 -2.947,-68.627 -2.524,-69.05 -2.101,-68.627 -1.677,-68.627 -1.677,-69.05 -2.101,-69.473 -1.677,-69.897 -1.677,-70.32 -2.101,-70.32 -2.524,-69.897 -2.947,-70.32 -3.371,-70.32 ; -3.371,-66.51 -1.677,-66.51 -1.677,-64.817 -3.371,-64.817 -3.371,-66.51 ; -3.371,-61.007 -1.677,-61.007 -2.524,-62.7 -3.371,-61.007 ; -3.371,-55.08 -2.524,-54.657 -1.677,-55.08 -2.101,-54.233 -1.677,-53.387 -2.524,-53.81 -3.371,-53.387 -2.947,-54.233 -3.371,-55.08 ; -3.371,-50.847 -2.947,-50.847 -2.524,-51.27 -2.101,-50.847 -1.677,-50.847 -2.101,-50.423 -1.677,-50 -2.101,-50 -2.524,-49.577 -2.947,-50 -3.371,-50 -2.947,-50.423 -3.371,-50.847 ; -3.371,-47.037 -2.947,-47.037 -2.947,-47.46 -2.101,-47.46 -2.101,-47.037 -1.677,-47.037 -1.677,-46.19 -2.101,-46.19 -2.101,-45.767 -2.947,-45.767 -2.947,-46.19 -3.371,-46.19 -3.371,-47.037 ; -3.371,-43.65 -1.677,-43.65 -1.677,-41.957 -3.371,-41.957 -3.371,-43.65 ; -3.371,-39.417 -2.947,-39.417 -2.524,-39.84 -2.101,-39.417 -1.677,-39.417 -2.101,-38.993 -1.677,-38.57 -2.101,-38.57 -2.524,-38.147 -2.947,-38.57 -3.371,-38.57 -2.947,-38.993 -3.371,-39.417 ; -3.371,-34.337 -1.677,-34.337 -2.524,-36.03 -3.371,-34.337 ; -3.032,-50.677 -2.778,-50.677 -2.524,-50.931 -2.27,-50.677 -2.016,-50.677 -2.27,-50.423 -2.016,-50.169 -2.27,-50.169 -2.524,-49.915 -2.778,-50.169 -3.032,-50.169 -2.778,-50.423 -3.032,-50.677 ; -3.032,-43.311 -2.016,-43.311 -2.016,-42.295 -3.032,-42.295 -3.032,-43.311 ; -3.032,-34.675 -2.016,-34.675 -2.524,-35.691 -3.032,-34.675
  lines w0.381: -4.889,-75.273 157.575,-75.273 ; -4.889,-33.363 157.575,-33.363 ; 9.103,-79.083 9.103,-29.553 ; 26.827,-79.083 26.827,-29.553 ; 61.006,-79.083 61.006,-29.553 ; 73.855,-79.083 73.855,-29.553 ; 92.493,-79.083 92.493,-29.553 ; 121.949,-79.083 121.949,-29.553 ; -4.889,-79.083 157.575,-79.083 157.575,-29.553 -4.889,-29.553 -4.889,-79.083
  text "Symbol" at -2.603,-32.22 h1.83
  text "Hit Count" at 10.246,-32.22 h1.83
  text "Finished Hole Size" at 27.97,-32.22 h1.83
  text "Plated" at 62.149,-32.22 h1.83
  text "Hole Type" at 74.998,-32.22 h1.83
  text "Hole Length" at 93.636,-32.22 h1.83
  text "Routed Path Length" at 123.092,-32.22 h1.83
  text "561" at 10.246,-36.03 h1.52
  text "0.432mm (17.00mil)" at 27.97,-36.03 h1.52
  text "PTH" at 62.149,-36.03 h1.52
  text "Round" at 74.998,-36.03 h1.52
  text "-" at 93.636,-36.03 h1.52
  text "-" at 123.092,-36.03 h1.52
  text "17" at 10.246,-39.84 h1.52
  text "0.800mm (31.50mil)" at 27.97,-39.84 h1.52
  text "PTH" at 62.149,-39.84 h1.52
  text "Round" at 74.998,-39.84 h1.52
  text "-" at 93.636,-39.84 h1.52
  text "-" at 123.092,-39.84 h1.52
  text "4" at 10.246,-43.65 h1.52
  text "1.000mm (39.37mil)" at 27.97,-43.65 h1.52
  text "NPTH" at 62.149,-43.65 h1.52
  text "Round" at 74.998,-43.65 h1.52
  text "-" at 93.636,-43.65 h1.52
  text "-" at 123.092,-43.65 h1.52
  text "104" at 10.246,-47.46 h1.52
  text "1.000mm (39.37mil)" at 27.97,-47.46 h1.52
  text "PTH" at 62.149,-47.46 h1.52
  text "Round" at 74.998,-47.46 h1.52
  text "-" at 93.636,-47.46 h1.52
  text "-" at 123.092,-47.46 h1.52
  text "26" at 10.246,-51.27 h1.52
  text "1.100mm (43.31mil)" at 27.97,-51.27 h1.52
  text "PTH" at 62.149,-51.27 h1.52
  text "Round" at 74.998,-51.27 h1.52
  text "-" at 93.636,-51.27 h1.52
  text "-" at 123.092,-51.27 h1.52
  text "105" at 10.246,-55.08 h1.52
  text "1.300mm (51.18mil)" at 27.97,-55.08 h1.52
  text "PTH" at 62.149,-55.08 h1.52
  text "Round" at 74.998,-55.08 h1.52
  text "-" at 93.636,-55.08 h1.52
  text "-" at 123.092,-55.08 h1.52
  text "3" at 10.246,-58.89 h1.52
  text "1.800mm (70.87mil)" at 27.97,-58.89 h1.52
  text "NPTH" at 62.149,-58.89 h1.52
  text "Slot" at 74.998,-58.89 h1.52
  text "5.000mm (196.85mil)" at 93.636,-58.89 h1.52
  text "3.200mm (125.98mil)" at 123.092,-58.89 h1.52
  text "3" at 10.246,-62.7 h1.52
  text "1.800mm (70.87mil)" at 27.97,-62.7 h1.52
  text "NPTH" at 62.149,-62.7 h1.52
  text "Slot" at 74.998,-62.7 h1.52
  text "6.000mm (236.22mil)" at 93.636,-62.7 h1.52
  text "4.200mm (165.35mil)" at 123.092,-62.7 h1.52
  text "3" at 10.246,-66.51 h1.52
  text "1.800mm (70.87mil)" at 27.97,-66.51 h1.52
  text "NPTH" at 62.149,-66.51 h1.52
  text "Slot" at 74.998,-66.51 h1.52
  text "8.100mm (318.90mil)" at 93.636,-66.51 h1.52
  text "6.300mm (248.03mil)" at 123.092,-66.51 h1.52
  text "4" at 10.246,-70.32 h1.52
  text "2.000mm (78.74mil)" at 27.97,-70.32 h1.52
  text "NPTH" at 62.149,-70.32 h1.52
  text "Round" at 74.998,-70.32 h1.52
  text "-" at 93.636,-70.32 h1.52
  text "-" at 123.092,-70.32 h1.52
  text "4" at 10.246,-74.13 h1.52
  text "3.000mm (118.11mil)" at 27.97,-74.13 h1.52
  text "NPTH" at 62.149,-74.13 h1.52
  text "Round" at 74.998,-74.13 h1.52
  text "-" at 93.636,-74.13 h1.52
  text "-" at 123.092,-74.13 h1.52
  text "834 Total" at 10.246,-77.94 h1.52
  text "Slot definitions :" at -2.603,-81.622 h1.52
  text "Routed Path Length" at 23.627,-81.622 h1.52
  text "= Calculated from tool start centre position to tool end centre position." at 51.635,-81.622 h1.52
  text "Hole Length" at 23.627,-84.162 h1.52
  text "= Routed Path Length + Tool Size = Slot length as defined in the PCB layout" at 41.224,-84.162 h1.52

## Dimensions
273.685,-2.08 to 273.685,73.84 on Cotes (Mec6)
273.685,-6.08 to 273.685,77.84 on Cotes (Mec6)
-3.175,-6.08 to 273.685,-6.08 on Cotes (Mec6)
268.229,48.91 to 273.05,57.15 on Cotes (Mec6)
276.225,49.41 to 276.225,80.38 on Cotes (Mec6)
276.225,48.41 to 276.225,49.41 on Cotes (Mec6)
276.225,-8.62 to 276.225,48.41 on Cotes (Mec6)
-5.715,-8.62 to -5.715,80.38 on Cotes (Mec6)
-5.715,-8.62 to 276.225,-8.62 on Cotes (Mec6)

## Text inside footprints (layer, text, board x,y; h text height)
J3: Top REF "2" at 117.475,71.142 h1.27; Top REF "1" at 117.475,68.602 h1.27; Top REF "26" at 152.019,71.142 h1.27; Top REF "25" at 152.019,68.602 h1.27; Top REF "19" at 142.494,64.665 h0.75; Top REF "1" at 119.761,64.665 h0.75; Top REF "20" at 142.494,75.46 h0.75; Top REF "2" at 119.888,75.46 h0.75
J83: Top Silk "1" at 275.42,47.625 h1 r90; TOP Assy "1" at 275.42,47.625 h1 r90